# Altium PCB hand_logic.PcbDoc (part 4 of 4)
Units mil, origin at the board's own origin, x right, y up, seen from the top; angles counter-clockwise.
Board outline 3797.44 x 1940.24 mil, 6 copper layers (Top Layer, Int1 (GND), Int2 (Sign), Int3 (Sign), Int4 (PWR), Bottom Layer), stack 72.047 mil thick; 256 components, 180 nets, 1050 pads, 638 vias.
Unrouted connection lines stored in the file: 228.
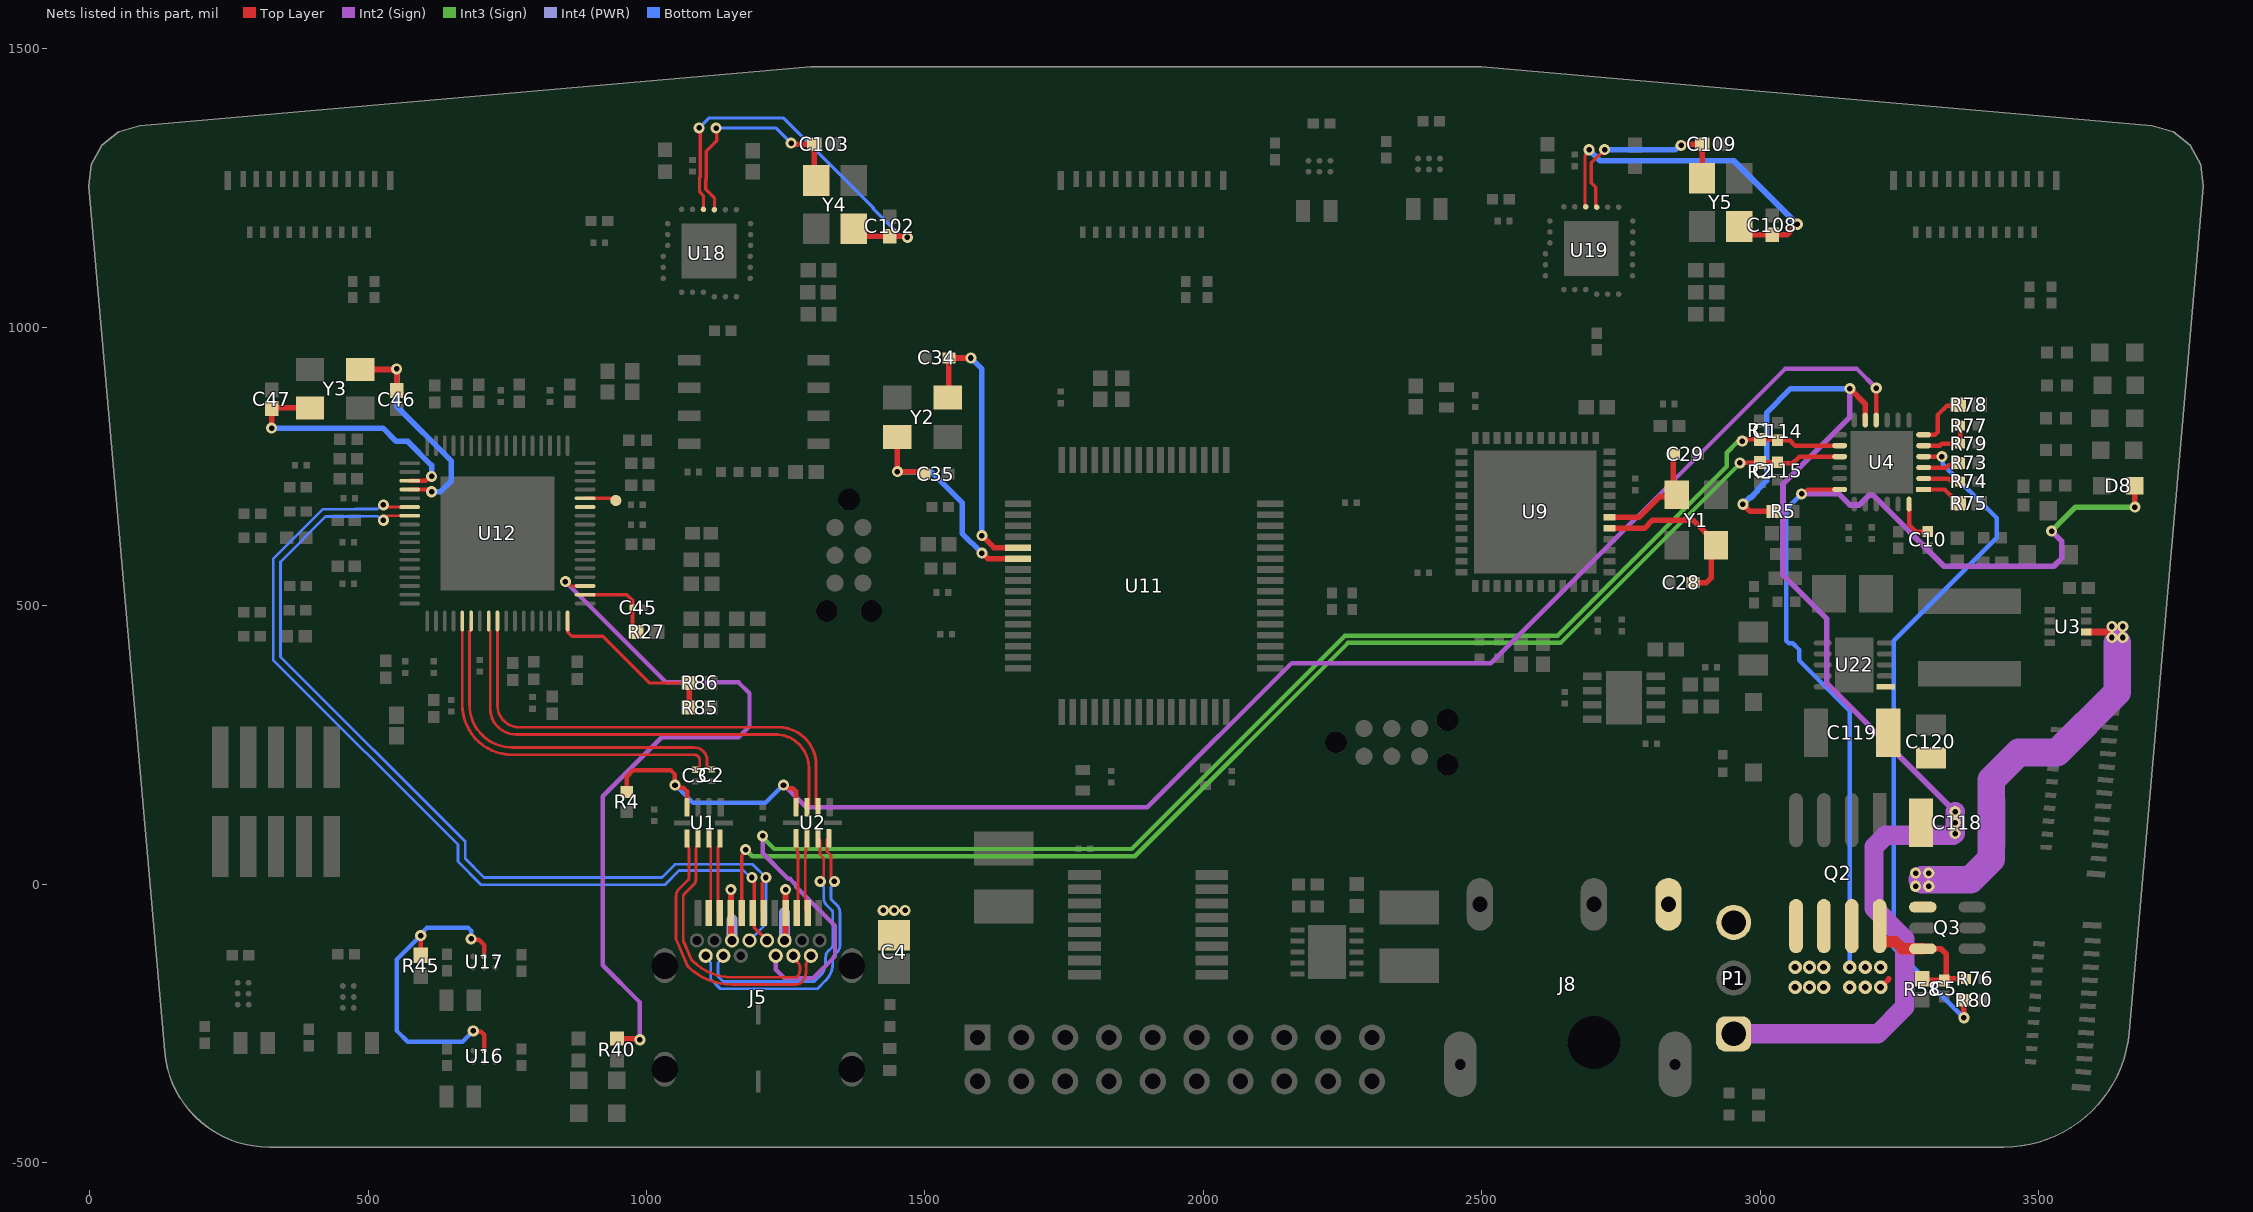
[diagram p8: the nets of this part, all layers, seen from the top]

## Via types
v1: diameter 20, hole 10, Top Layer to Bottom Layer, tented both sides, 623 vias
v2: diameter 24, hole 12, Top Layer to Bottom Layer, tented both sides, 13 vias
v3: diameter 28, hole 14, Top Layer to Bottom Layer, tented both sides, 2 vias

## Nets (pads, with @x,y where several pads share a name; then routed paths per layer and width w, separated by ;. In a path a pad name is that pad's centre, name@x,y a point inside that pad or via, vN(x,y) a via of type N, cw(c..) or ccw(c..) an arc to the next point about the centre after c; other vN are vias at no path point) (continued)
PD_ISINK_COURSE: R77.1 R79.2 U4.5 | length 99.3
  Top Layer w8: U4.5@3293.92,787.4 3322.83,787.4 3326.44,791.01 R79.2@3359.25,791.01 R77.1@3359.25,823.49
PD_ISINK_FINE: R78.1 U4.6 | length 102.7
  Top Layer w8: U4.6@3293.92,807.09 3314.21,807.09 3318.9,811.77 3318.9,842.52 3335.21,858.83 3354.23,858.83 R78.1@3356.3,860.89
PD_SAFE_5V: Q3.4 U3.6 | length 697.3
  Top Layer w12: U3.6@3586.14,452.76 3622.05,452.76
  Int2 (Sign) w50: 3291.34,7.87 3377.95,7.87 3415.35,45.28 3415.35,187.01 3464.57,236.22 3533.46,236.22 3641.73,344.49 3641.73,433.07
  other v1: 3279.53,-3.94 3303.15,-3.94 3279.53,19.69 3303.15,19.69 3631.89,442.91 3651.57,442.91 3631.89,462.6 3651.57,462.6
PD_VCCD: C10.1 U4.24 | length 75.4
  Top Layer w8: U4.24@3267.72,682.46 3267.72,645.67 3280.23,633.15 C10.1@3301.18,633.15
PWM_MODE: R45.2 U16.B1 U17.B1 | length 592.2
  Top Layer w8: R45.2@594.49,-127.95 v1(594.49,-92.52) ; v1(685.04,-98.43) 686.35,-99.73 698.85,-99.73 708.66,-109.55 U17.B1@708.66,-129.92 ; v1(688.98,-263.78) 690.14,-264.94 702.93,-264.94 708.66,-270.67 U16.B1@708.66,-299.21
  Bottom Layer w8: v1(685.04,-98.43) 684.93,-98.31 684.93,-83.43 680.24,-78.74 605.17,-78.74 594.49,-89.43 v1(594.49,-92.52) 551.87,-135.14 551.87,-263.78 571.35,-283.26 669.5,-283.26 v1(688.98,-263.78)
PWR_EN: U12.29
SAFE_PWR_EN: R80.2 U4.4 | length 1241.8
  Top Layer w8: U4.4@3293.92,767.72 v1(3326.77,767.72)
  Top Layer w10: v1(3366.14,-240.16) R80.2@3366.14,-208.66
  Bottom Layer w8: v1(3326.77,767.72) 3328.42,766.07 3328.42,754.25 3425.2,657.48 3425.2,622.05 3240.16,437.01 3240.16,-114.17 v1(3366.14,-240.16)
SUSPEND: R40.2 U12.20 | length 1334.5
  Top Layer w5: v1(854.33,543.31) 856.31,543.31 864.19,535.43 U12.20@889.76,535.43
  Top Layer w10: R40.2@946.85,-277.56 983.51,-277.56 985.48,-279.53 v1(988.19,-279.53)
  Int2 (Sign) w8: v1(854.33,543.31) 1035.43,362.2 1165.35,362.2 1185.04,342.52 1185.04,283.46 1165.35,263.78 1027.56,263.78 921.26,157.48 921.26,-145.67 988.19,-212.6 v1(988.19,-279.53)
USB_CC1: C115.1 J5.A5 R2.2 U4.15 | length 2386.4
  Top Layer w6: J5.A5@1171.26,-51.97 1171.26,51.33 1178.15,58.22 v1(1178.15,62.01)
  Top Layer w8: v1(2963.93,756.55) 2964.27,756.89 R2.2@3000,756.89 3000.98,757.87 C115.1@3031.5,757.87 3033.46,755.91 3059.06,755.91 3070.87,767.72 U4.15@3143.09,767.72
  Int3 (Sign) w8: v1(1178.15,62.01) 1190.17,49.99 1876.76,49.99 2259.84,433.07 2641.73,433.07 2963.93,755.27 v1(2963.93,756.55)
USB_CC2: C114.1 J5.B5 R1.2 U4.14 | length 2696.6
  Top Layer w8: v1(2968.16,795.62) 2971.41,795.62 2975,799.21 3029.53,799.21 C114.1@3031.5,797.24 3053.15,797.24 3062.99,787.4 U4.14@3143.09,787.4
  Int2 (Sign) w8: v1(1208.66,86.61) 1208.66,55.12 1254.62,9.16 1257.87,9.16 1269,-1.97 1269,-5.22 1338.58,-74.8 1338.58,-129.92 1299.21,-169.29 1248.03,-169.29 1232.28,-153.54 J5.B5@1232.28,-128.74
  Int3 (Sign) w8: v1(1208.66,86.61) 1208.66,83.63 1229.3,62.99 1871.38,62.99 2254.46,446.07 2636.35,446.07 2940.26,749.98 2940.26,774.91 2958.68,793.32 2965.86,793.32 v1(2968.16,795.62)
USB_D_N: J5.A7 J5.B7 U12.58 | length 1711.2
  Top Layer w5: v1(527.56,653.54) cw(c535.43,653.54) 527.56,653.74 cw(c535.43,653.54) 535.43,661.42 U12.58@574.8,661.42
  Top Layer w6: v1(527.56,653.54) v1@527.56,653.75 ; J5.A7@1210.63,-51.97 1207.79,-49.13 1207.79,1.3 1214.57,8.08 v1(1214.57,11.81)
  Bottom Layer w5: v1(527.56,653.54) 524.41,653.54 517.13,660.82 482.58,660.82 481.8,660.04 423.82,660.04 342.52,578.74 342.52,408.15 674.42,76.25 674.42,45.74 708.35,11.81 1027.56,11.81 1051.18,35.43 1190.94,35.43 v1(1214.57,11.81) 1214.57,-71.65 J5.B7@1185.04,-101.18
USB_D_P: J5.A6 J5.B6 U12.57 | length 1660.3
  Top Layer w5: v1(527.56,681.1) ccw(c531.5,681.1) 531.5,677.17 U12.57@574.8,677.17
  Top Layer w6: v1(527.56,681.1) v1@530.24,678.42 ; v1(1189.26,11.81) 1189.26,8.02 1193.7,3.58 1193.7,1.38 1193.79,1.3 1193.79,-49.13 J5.A6@1190.94,-51.97 1193.85,-54.87 1193.85,-78.5 J5.B6@1216.54,-101.18
  Bottom Layer w5: v1(527.56,681.1) 524.41,681.1 517.13,673.82 477.2,673.82 476.42,673.04 418.44,673.04 329.52,584.13 329.52,402.76 661.42,70.87 661.42,40.35 702.96,-1.19 1032.94,-1.19 1058.57,24.43 1174.39,24.43 1187.01,11.81 v1(1189.26,11.81)
USB_MUX_FLIP: R4.2 U1.4 U2.4 U4.10 | length 2852.1
  Top Layer w8: R4.2@964.57,165.35 964.57,192.91 976.38,204.72 1043.31,204.72 1051.18,196.85 v1@1051.18,178.45 ; v1(1051.18,177.85) v1@1051.18,178.45 ; U1.4@1072.83,137.8 1072.83,166.34 1066.12,173.05 1059.82,173.05 1054.43,178.45 v1@1051.18,178.45 ; v1(1246.06,177.85) 1249.31,177.85 1254.92,172.24 1262.8,172.24 1268.7,166.34 U2.4@1268.7,138.19 ; v1@3207.68,891.73 v1(3208.66,890.75) U4.10@3208.66,833.29
  Int2 (Sign) w8: v1(1246.06,177.85) 1246.66,177.85 1286.72,137.8 1899.61,137.8 2158.67,396.86 2516.53,396.86 3044.87,925.2 3174.21,925.2 v1(3208.66,890.75)
  Bottom Layer w8: v1(1051.18,177.85) 1051.78,177.85 1083.96,145.67 1213.28,145.67 1245.46,177.85 v1(1246.06,177.85)
USB_RX1_N: J5.B10 U2.8 | length 503.3
  Top Layer w5: U2.8@1308.07,82.28 cw(c1308.07,78.94) 1311.41,78.94 1311.41,52.86 1318.3,45.97 1318.3,11.22 cw(c1312.01,11.22) v1(1312.01,4.92)
  Bottom Layer w5: J5.B10@1137.8,-128.74 1137.8,-132.72 1128.55,-141.96 1128.55,-165.95 1137.8,-175.2 1226.04,-175.2 1301.5,-175.2 1312.63,-164.06 ccw(c1290.54,-142.16) 1321.65,-142.16 1321.65,-132.52 cw(c1339.65,-132.52) 1326.88,-119.84 1332.99,-113.72 ccw(c1329.44,-110.2) 1334.44,-110.2 1334.44,-50.76 ccw(c1329.44,-50.76) 1332.98,-47.23 1323.52,-37.77 cw(c1336.3,-25.1) 1318.3,-25.1 1318.3,-5.43 1312.01,0.86 v1(1312.01,4.92)
USB_RX1_P: J5.B11 U2.9 | length 545.5
  Top Layer w5: U2.9@1327.76,82.28 ccw(c1327.76,78.94) 1324.41,78.94 1324.41,58.25 1331.3,51.36 1331.3,11.22 ccw(c1337.6,11.22) v1(1337.6,4.92)
  Bottom Layer w5: J5.B11@1106.3,-128.74 1106.3,-132.72 1115.55,-141.96 1115.55,-171.04 1115.75,-171.25 1132.5,-187.99 1220.74,-187.99 1306.8,-187.99 1307.09,-187.99 1321.85,-173.23 ccw(c1290.54,-142.16) 1334.65,-142.11 ; 1334.65,-142.11 1334.65,-132.44 cw(c1339.65,-132.52) 1336.09,-129 1342.21,-122.89 ccw(c1329.44,-110.2) 1347.44,-110.2 1347.44,-50.76 ccw(c1329.44,-50.76) 1342.22,-38.09 ; v1(1337.6,4.92) 1337.6,0.86 1331.3,-5.43 1331.3,-25.1 ccw(c1336.3,-25.1) 1332.75,-28.62 1342.22,-38.08
USB_RX2_N: J5.A10 U2.6 | length 135.8
  Top Layer w5: U2.6@1268.7,82.28 1270.39,80.59 1270.39,58.25 1272.04,56.59 1272.04,-30.85 J5.A10@1269.68,-51.97
USB_RX2_P: J5.A11 U2.7 | length 137
  Top Layer w5: U2.7@1288.39,82.28 1286.56,80.45 1286.56,58.48 1285.11,57.04 1285.04,-44.74 ccw(c1290.04,-44.74) 1285.83,-47.44 1285.96,-47.44 J5.A11@1289.37,-51.97
USB_RX_N: U2.3 U12.8 | length 863.9
  Top Layer w5: U12.8@716.54,472.44 716.54,456.9 719.28,454.15 719.28,315.48 ccw(c766.06,315.48) 723.41,296.28 ccw(c766.06,315.48) 747.11,272.71 ccw(c766.06,315.48) 766.06,268.7 1231.72,268.7 cw(c1231.72,208.69) 1239.22,268.23 cw(c1231.72,208.69) 1291.19,216.68 cw(c1231.72,208.69) 1291.73,208.69 1291.73,141.53 cw(c1288.39,141.53) U2.3@1288.39,138.19
USB_RX_P: U2.2 U12.9 | length 862.8
  Top Layer w5: U12.9@732.28,472.44 732.28,320.87 ccw(c771.45,320.87) 738.73,299.34 ccw(c771.45,320.87) 749.92,288.15 ccw(c771.45,320.87) 771.45,281.7 1237.1,281.7 cw(c1237.1,214.07) 1304.26,222 cw(c1237.1,214.07) 1304.73,214.07 1304.73,141.53 ccw(c1308.07,141.53) U2.2@1308.07,138.19
USB_TX1_N: J5.A3 U1.9 | length 136.6
  Top Layer w5: J5.A3@1131.89,-51.97 1128.55,-48.63 1128.55,66.34 1131.89,69.68 U1.9@1131.89,81.89
USB_TX1_P: J5.A2 U1.8 | length 136.6
  Top Layer w5: J5.A2@1112.2,-51.97 1115.55,-48.63 1115.55,66.34 1112.2,69.68 U1.8@1112.2,81.89
USB_TX2_N: J5.B3 U1.7 | length 471.9
  Top Layer w5: U1.7@1092.52,81.89 1092.52,72.05 cw(c1086.81,72.05) 1090.85,68.01 ccw(c1094.88,63.98) 1089.18,63.98 1089.18,10.8 cw(c1071.18,10.8) 1083.96,-1.87 1067.6,-18.24 ccw(c1071.15,-21.76) 1066.15,-21.76 1066.15,-100.91 ccw(c1071.15,-100.91) 1066.55,-102.88 1080.47,-135.1 ccw(c1085.05,-133.1) 1081.5,-136.61 1082.92,-138.03 ccw(c1153.63,-67.32) 1083.35,-138.46 ccw(c1153.63,-67.32) 1153.63,-167.32 1267.48,-167.32 ccw(c1267.45,-162.32) 1271.36,-165.44 ccw(c1254.47,-152.11) 1275.98,-151.87 1275.98,-151.82 ccw(c1256.65,-152.11) 1275.95,-150.88 ccw(c1270.96,-151.21) 1275.94,-150.78 ccw(c1248.68,-153.17) 1275.62,-148.35 ccw(c1270.7,-149.25) 1275.59,-148.22 ccw(c1256.65,-152.11) 1275.24,-146.81 ccw(c1256.65,-152.11) 1266.59,-135.52 cw(c1273.38,-128.74) J5.B3@1263.78,-128.74
USB_TX2_P: J5.B2 U1.6 | length 510.1
  Top Layer w5: U1.6@1072.83,81.89 1072.83,72.05 ccw(c1078.54,72.05) 1074.51,68.01 cw(c1070.47,63.98) 1076.18,63.98 1076.18,10.8 cw(c1071.18,10.8) 1074.73,7.28 1058.38,-9.07 ccw(c1071.15,-21.76) 1053.15,-21.76 1053.15,-99.58 1073.72,-147.23 ccw(c1153.63,-67.32) 1076.54,-149.95 ccw(c1153.63,-67.32) 1153.63,-180.32 1267.51,-180.32 ccw(c1267.45,-162.32) 1280.22,-175.01 ccw(c1248.68,-153.17) 1286.41,-146.24 cw(c1291.33,-145.35) 1286.49,-144.13 ; 1286.5,-144.09 cw(c1299.72,-147.64) 1290.1,-137.89 1292.47,-135.52 ccw(c1285.68,-128.74) J5.B2@1295.28,-128.74
USB_TX_N: C3.2 U12.5 | length 655.6
  Top Layer w5: U12.5@669.29,472.44 669.29,321.85 ccw(c758.86,321.85) 673.84,293.68 ccw(c758.86,321.85) 730.76,236.8 ccw(c758.86,321.85) 758.86,232.28 1085.58,232.28 cw(c1085.58,222) 1095.86,222 1095.86,211.26 1092.93,208.33 1090.61,208.33 C3.2@1087.6,205.32
USB_TX_P: C2.2 U12.6 | length 656.4
  Top Layer w5: U12.6@685.04,472.44 685.04,456.9 682.29,454.15 682.29,321.85 ccw(c758.86,321.85) 685.3,300.61 ccw(c758.86,321.85) 737.62,248.29 ccw(c758.86,321.85) 758.86,245.28 1085.58,245.28 cw(c1085.58,222) 1108.86,222 1108.86,211.65 1111.79,208.72 1114.11,208.72 C2.2@1117.13,205.71
VBUS: C4.1 C5.1 D8.2 J5.A4 J5.A9 J5.B4 J5.B9 Q2.7 Q2.8 Q3.6 R58.2 R76.2 U4.18 | length 2367.9
  Top Layer w8: v1(3074.8,700.79) 3077.51,700.79 3085.38,708.66 U4.18@3143.09,708.66
  Top Layer w10: v2(3216.54,-185.04) 3231.3,-170.28 ; R58.2@3291.34,-170.28 3294.29,-173.23 C5.1@3330.71,-173.23 C5.1@3333.66,-170.28 ; Q3.6@3292.32,-116.14 3324.8,-116.14 3334.65,-125.98 3334.65,-169.29 C5.1@3333.66,-170.28 ; R76.2@3366.22,-166.42 R76.2@3370.08,-170.28 C5.1@3333.66,-170.28 ; v1(3673.23,677.17) D8.2@3673.23,715.55
  Top Layer w11: v1(1151.57,-9.84) J5.A4@1151.57,-51.97 1151.57,-99.21 J5.B9@1153.54,-101.18 ; J5.B4@1248.03,-101.18 1250,-99.21 J5.A9@1250,-51.97 v1(1250,-9.84)
  Top Layer w20: Q2.8@3214.76,-75.44 3214.76,-101.44 3216.86,-103.54 3242.87,-103.54 3255.47,-116.14 Q3.6@3292.32,-116.14
  Int2 (Sign) w10: v1(3074.8,700.79) 3141.7,700.79 3161.61,680.87 3178.18,680.87 3195.3,697.99 3203.58,697.99 3330.71,570.87 3527.56,570.87 3542.32,585.63 3542.32,615.16 v1(3523.62,633.86)
  Int3 (Sign) w10: v1(3523.62,633.86) 3566.93,677.17 v1(3673.23,677.17)
  Int4 (PWR) w20: J5.B9@1153.54,-101.18 1153.54,-64.18 ; J5.B4@1248.03,-101.18 1248.03,-51.18
  Bottom Layer w8: v1(3074.8,700.79) 3047.24,673.23 3047.24,437.07 3051.93,432.39 3059.05,432.39 3070.18,421.26 3070.18,402.26 3161.42,311.02 v2(3161.42,-149.61)
  other v1: 1425.2,-47.24 1444.88,-47.24 1464.57,-47.24
  other v2: 3161.42,-185.04 3188.98,-185.04 3188.98,-149.61 3216.54,-149.61
VBUS_FET_EN: R73.1 U4.3 | length 66.9
  Top Layer w8: U4.3@3293.92,748.03 3334.65,748.03 3339.14,752.53 3353.25,752.53 R73.1@3357.28,756.56
VBUS_MAX: R74.1 U4.2 | length 67.5
  Top Layer w8: U4.2@3293.92,728.35 3338.58,728.35 3342.52,724.41 3358.08,724.41 R74.1@3359.25,723.24
VBUS_MIN: R75.1 U4.1 | length 73.2
  Top Layer w8: U4.1@3293.92,708.66 3331.5,708.66 3346.52,693.65 3346.52,692.66 3355.31,683.87 R75.1@3356.3,683.87
VBUS_PD: C118.1 C119.1 C120.1 P1.1 Q2.5 Q2.6 R5.2 U4.11 U22.1 | length 2249
  Top Layer w10: v1(2969.33,682.25) 2982.28,669.29 R5.2@3024.61,669.29 ; v1(3161.42,889.76) 3188.98,862.2 U4.11@3188.98,833.29
  Int2 (Sign) w10: v1(3161.42,889.76) 3161.42,838.58 3041.34,718.5 3041.34,555.17 3120.08,476.43 3120.08,360.24 v1(3350.39,129.92)
  Int2 (Sign) w35: P1.1@2952.76,-268.9 3211.42,-268.9 3259.84,-220.47 3259.84,-98.43 3204.72,-43.31 3204.72,66.77 3225.23,87.27 3347.11,87.27 v1(3350.39,90.55) v1(3350.39,110.24) v1(3350.39,129.92)
  Bottom Layer w10: v1(2969.33,682.25) 2981,693.93 2983.33,693.93 2995.05,705.64 2995.05,707.97 3011.81,724.73 3011.81,846.46 3055.12,889.76 v1(3161.42,889.76)
  other v2: 3062.99,-185.04 3088.98,-185.04 3114.17,-185.04 3062.99,-149.61 3088.98,-149.61 3114.17,-149.61
VBUS_PG: pad.2 U12.30 | length 63.6
  Top Layer w7: U12.30@889.76,692.91 940.94,692.91 pad.2@949.72,684.14
VBUS_US: R85.1 R86.2 U12.17 | length 320.4
  Top Layer w6: U12.17@858.27,472.44 858.4,472.31 858.4,452.62 866.14,444.88 921.26,444.88 1004.92,361.22 R86.2@1076.77,361.22
  Top Layer w10: R85.1@1076.77,316.93 R86.2@1076.77,361.22
VDD_EFUSE: C45.2 R27.1 U12.19 | length 148.7
  Top Layer w7: U12.19@889.76,519.69 964.57,519.69 975.2,509.06 C45.2@975.2,496.06 975.2,458.86 R27.1@981.3,452.76
WALL_VIN: J8.1 P1.3
XIN: C34.1 U11.5 Y2.1 | length 513.7
  Top Layer w10: Y2.1@1541.34,874.02 1542.61,875.28 1542.61,940.24 C34.1@1547.24,944.88 ; C34.1@1543.31,944.88 C34.1@1547.24,944.88 ; v1(1582.68,944.88) C34.1@1547.24,944.88 ; v1(1602.36,625.98) 1624.02,604.33 U11.5@1667.32,604.33
  Bottom Layer w10: v1(1582.68,944.88) 1602.36,925.2 v1(1602.36,625.98)
XIN_1: C102.2 U18.22 Y4.1 | length 725
  Top Layer w6: v1(1094.49,1358.27) 1096.58,1356.17 1096.58,1270.7 1095.3,1269.42 1095.3,1243.48 1102.36,1236.41 U18.22@1102.36,1211.78
  Top Layer w10: Y4.1@1372.05,1177.17 1385.43,1163.78 C102.2@1437.01,1163.78 1463.44,1163.78 1465.8,1161.42 v1(1468.5,1161.42)
  Bottom Layer w6: v1(1094.49,1358.27) 1112.07,1375.85 1246.2,1375.85 1407.2,1214.85 1407.2,1213.02 1456.12,1164.1 1465.83,1164.1 v1(1468.5,1161.42)
XIN_2: C108.2 U19.22 Y5.1 | length 653.9
  Top Layer w6: U19.22@2687.01,1216.41 2686.26,1217.16 2686.26,1219.93 2685.6,1220.59 2685.6,1307.8 2692.91,1315.11 v1(2692.91,1318.9)
  Top Layer w10: Y5.1@2962.6,1181.1 2977.56,1166.14 C108.2@3021.65,1166.14 3048.03,1166.14 v1(3066.93,1185.04)
  Bottom Layer w10: v1(2692.91,1318.9) 2712.6,1299.21 2952.76,1299.21 v1(3066.93,1185.04)
XOSC_IN: C28.1 U9.5 Y1.1 | length 313.1
  Top Layer w10: U9.5@2729.33,638.78 2792.32,638.78 2807.09,653.54 2879.92,653.54 Y1.1@2921.26,612.2 ; C28.1@2879.92,541.34 2903.54,541.34 2912.12,549.91 2912.12,599.13 Y1.1@2921.26,608.27
XOSC_OUT: C29.1 U9.6 Y1.3 | length 204.7
  Top Layer w10: U9.6@2729.33,658.46 2782.48,658.46 2819.6,695.58 2847.16,695.58 Y1.3@2850.39,698.82 ; Y1.3@2844.49,704.72 C29.1@2844.49,771.65
XOUT: C35.1 U11.6 Y2.3 | length 425
  Top Layer w10: Y2.3@1450.79,803.15 v1(1450.79,740.9) 1493.36,740.9 C35.1@1498.03,736.22 ; v1(1602.36,594.49) 1603.38,594.49 1613.22,584.65 U11.6@1667.32,584.65
  Bottom Layer w10: v1(1450.79,740.9) 1511.07,740.9 1566.93,685.04 1566.93,629.92 v1(1602.36,594.49)
XOUT_1: C103.2 U18.21 Y4.3 | length 416.6
  Top Layer w6: U18.21@1122.05,1211.22 1122.05,1232.28 1106.3,1248.03 1106.3,1264.86 1107.58,1266.15 1107.58,1316.24 1125.98,1334.65 v1@1125.98,1358.27
  Top Layer w10: v1(1259.84,1330.71) 1262.55,1330.71 1264.52,1328.74 C103.2@1301.57,1328.74 1301.57,1267.32 Y4.3@1305.12,1263.78
  Bottom Layer w6: v1(1125.18,1357.85) 1232.7,1357.85 v1(1259.84,1330.71)
XOUT_2: C109.2 U19.21 Y5.3 | length 357.5
  Top Layer w6: U19.21@2706.69,1215.85 2706.69,1216.91 2704.72,1218.88 2704.72,1251.97 2697.16,1259.54 2697.16,1295.58 v1(2720.84,1319.26)
  Top Layer w10: v1(2858.27,1326.77) 2860.97,1326.77 2862.94,1328.74 C109.2@2896.06,1328.74 2896.06,1268.11 Y5.3@2895.67,1267.72
  Bottom Layer w10: v1(2720.84,1319.26) 2848.05,1319.26 2855.56,1326.77 v1(2858.27,1326.77)
XTAL_IN: C46.1 U12.55 Y3.1 | length 430.3
  Top Layer w8: U12.55@574.8,708.66 606.99,708.66 610.93,704.72 v1(614.17,704.72)
  Top Layer w10: Y3.1@486.22,924.21 550.2,924.21 v1(551.18,925.2) C46.1@551.18,886.44
  Bottom Layer w10: v1(551.18,925.2) 551.18,858.27 649.61,759.84 649.61,724.41 629.92,704.72 v1(614.17,704.72)
XTAL_OUT: C47.1 U12.54 Y3.3 | length 482.2
  Top Layer w8: U12.54@574.8,724.41 603.94,724.41 611.82,732.28 v1(614.17,732.28)
  Top Layer w10: v1(326.77,818.9) C47.1@326.77,854.33 327.76,855.32 Y3.3@395.67,855.32
  Bottom Layer w10: v1(326.77,818.9) 526.83,818.9 550.46,795.28 570.87,795.28 614.17,751.97 v1(614.17,732.28)
pads on no net: J5.5 J5.8 J5.A8 J5.B8 J7.7 J7.8 J7.9 J7.10 J7.11 J7.12 J7.13 J7.14 J7.15 J7.16 J7.17 J7.18 J7.19 J7.20 J8. JP1.0 JP2.0 JP2.6 U4.7 U4.8 U4.16 U4.17 U4.20 U4.21 U9.3 U9.4 U9.13 U9.14 U9.15 U9.16 U9.17 U9.18 U9.19 U9.20 U9.21 U9.22 U9.25 U9.26 U9.27 U9.28 U9.29 U9.30 U9.31 U9.38 U9.39 U9.40 U9.41 U11.2 U11.3 U11.4 U11.10 U11.11 U11.14 U11.15 U11.20 U11.21 U11.24 U11.25 U11.26 U11.27 U11.28 U11.33 U11.34 U11.40 U11.42 U11.54 U11.57 U11.61 U11.62 U12.11 U12.12 U12.14 U12.15 U12.25 U12.35 U12.36 U12.38 U12.39 U12.41 U12.42 U12.44 U12.45 U12.47 U12.48 U12.50 U12.51 U18.6 U18.7 U18.8 U18.11 U18.12 U19.6 U19.7 U19.8 U19.11 U19.12 U20.7 U20.13 U21.3

## Polygon pours and split planes (outlines as drawn)
PD_5V on Top Layer "PD_5V_L01_P075" (solid, pour order 75): 3454.72,561.02 3451.77,561.02 cw(c3451.77,567.91) 3444.88,567.91 3444.88,588.53 3444.83,588.58 3422.77,588.58 3422.77,568.44 3409.57,555.24 3178.07,555.24 3178.07,489.05 ccw(c3184.84,489.05) 3184.84,482.28 3457,482.28 ccw(c3457,499.7) 3474.41,499.7 3474.41,541.34 ccw(c3454.72,541.34)
GND on Top Layer "GND_POUR" (solid, remove dead copper, pour order 111): 322.15,-472.44 3437.69,-472.44 ccw(c3437.69,-246.27) 3663,-265.98 3795.9,1253.62 3791.65,1292.56 3772.83,1326.89 3742.28,1351.42 3704.65,1362.36 2499.57,1467.8 1294.84,1467.8 89.72,1362.36 52.13,1351.42 21.57,1326.89 2.72,1292.56 -1.54,1253.62 134.4,-300.4 ccw(c322.15,-283.97)
1V2 on Top Layer "1V2_L01_P109" (solid, pour order 109): 627.95,-214.35 627.95,-206.69 591.29,-206.69 ccw(c591.29,-227.12) 570.87,-227.12 570.87,-254.94 ccw(c583.83,-254.94) 583.83,-267.91 638.28,-267.91
PD_SAFE_5V on Top Layer "PD_SAFE_5V_L01_P108" (solid, pour order 108): 3612.2,462.6 3612.2,442.91 ccw(c3631.89,442.91) 3631.89,423.23 3651.57,423.23 ccw(c3651.57,442.91) 3671.26,442.91 3671.26,462.6 ccw(c3651.58,462.6) 3651.57,482.28 3631.89,482.28 ccw(c3631.89,462.6)
5V on Top Layer "5V_L01_P105" (solid, pour order 105): 3569.65,472.44 3536.65,472.44 3536.65,435 cw(c3505.17,435) 3503.94,403.54 3503.94,344.49 ccw(c3523.62,344.49) 3523.62,324.8 3555.06,324.8 ccw(c3555.06,342.58) 3572.83,342.58 3572.83,469.25
VBUS on Top Layer "VBUS_L01_P103" (solid, pour order 103): 1473.55,-70.9 1488.19,-56.25 1488.19,-39.37 ccw(c1476.38,-39.37) 1476.38,-27.56 1413.39,-27.56 ccw(c1413.39,-39.37) 1401.57,-39.37 1401.57,-59.51 1416.22,-74.16
5V on Top Layer "5V_L01_P008" (solid, pour order 8): 324.8,-167.32 261.81,-167.32 cw(c261.81,-161.42) 255.91,-161.42 255.91,-157.48 cw(c265.75,-157.48) 265.75,-147.64 ccw(c241.99,-123.88) 275.59,-123.88 275.59,-118.11 326.77,-118.11 cw(c326.77,-125.98) 334.65,-125.98 334.65,-157.48 cw(c324.8,-157.48)
NetC110_1 on Top Layer "NETC110_1_L01_P102" (solid, pour order 102): 2181.77,-137.02 2138.62,-137.02 cw(c2138.62,-114.16) 2122.45,-130.33 2110.71,-118.59 ccw(c2072.69,-156.61) 2072.69,-102.84 1985.87,-102.84 1985.87,-173.97 ccw(c1998.4,-173.97) 1998.4,-186.5 2167.75,-186.5 ccw(c2167.75,-172.99) 2181.27,-173.17
HAND_VOUT on Top Layer "HAND_VOUT_L01_P100" (solid, pour order 100): 1811.02,-102.36 1654.5,-102.36 ccw(c1654.5,-190.2) 1592.38,-128.09 1559.53,-160.94 ccw(c1598.7,-200.11) 1543.31,-200.11 1543.31,-370.08 ccw(c1566.93,-370.08) 1566.93,-393.7 1614.17,-393.7 ccw(c1614.17,-374.02) 1633.86,-374.02 1633.86,-250.9 cw(c1669.29,-250.9) 1644.24,-225.84 cw(c1752.25,-333.85) 1752.25,-181.1 1805.64,-181.1 ccw(c1805.64,-159.97) 1826.77,-159.97 1826.77,-118.11 ccw(c1811.02,-118.11)
VBUS_PD on Top Layer "VBUS_PD_L01_P099" (solid, pour order 99): 3342.52,153.54 3291.07,153.54 3291.07,68.63 3289.37,66.93 3346.46,66.93 ccw(c3346.46,82.68) 3362.2,82.68 3362.2,133.86 ccw(c3342.52,133.86)
NetC110_1 on Top Layer "NETC110_1_L01_P095" (solid, pour order 95): 2181.77,-137.02 2138.62,-137.02 2104.43,-102.84 2098.93,-108.34 2098.93,-181.58 2166.32,-181.58 2181.77,-166.13
HAND_V_SEL on Top Layer "HAND_V_SEL_L01_P094" (solid, pour order 94): 2980.32,-125.98 2449.03,-125.98 cw(c2449.03,-92.22) 2425.15,-116.09 2358.33,-116.09 2358.33,-176.92 2358.01,-177.25 2393.36,-212.6 2909.45,-212.6 2976.38,-212.6 ccw(c2976.38,-188.98) 3000,-188.98 3000,-145.67 ccw(c2980.32,-145.67)
NetC110_1 on Top Layer "NETC110_1_L01_P088" (solid, pour order 88): 1985.9,-102.84 2102.87,-102.84 cw(c2102.87,-110.71) 2110.74,-110.71 2110.74,-169.77 cw(c2098.93,-169.77) 2098.93,-181.58 1999.86,-181.58 cw(c1998.84,-168.63) 1985.9,-169.77
VBUS_PD on Top Layer "VBUS_PD_L01_P093" (solid, pour order 93): 2925.2,-232.28 3000,-232.28 ccw(c3000,-200.79) 3031.5,-200.79 3031.5,-170.92 cw(c3073.45,-170.92) 3043.78,-141.25 3047.24,-137.8 3129.92,-137.8 3129.92,-251.97 cw(c3070.87,-251.97) 3070.87,-311.02 2929.13,-311.02 cw(c2929.13,-291.34) 2909.45,-291.34 2909.45,-248.03 cw(c2925.2,-248.03)
PD_SAFE_5V on Top Layer "PD_SAFE_5V_L01_P092" (solid, pour order 92): 3310.5,-51.18 3274.01,-51.18 cw(c3274.01,-40.95) 3263.78,-40.95 3263.78,19.69 cw(c3279.53,19.69) 3279.53,35.43 3311.02,35.43 cw(c3311.02,23.62) 3322.83,23.62 3322.83,-38.85 cw(c3310.5,-38.85)
VBUS_PD on Top Layer "VBUS_PD_L01_P091" (solid, pour order 91): 3334.65,165.35 3334.65,90.55 cw(c3311.02,90.55) 3311.02,66.93 3267.72,66.93 3267.72,177.17
NetQ2_1 on Top Layer "NETQ2_1_L01_P090" (solid, pour order 90): 3227.04,162.77 3220.51,169.29 3115.65,169.29 ccw(c3115.65,152.07) 3098.43,152.07 3098.43,27.56 ccw(c3125.98,27.56) 3125.98,0 3196.98,0 ccw(c3196.98,31.12) 3228.09,31.37
HAND_V_SEL on Top Layer "HAND_V_SEL_L01_P087" (solid, pour order 87): 2263.11,-137.02 2288.11,-137.02 2309.04,-116.09 2325.63,-116.09 2325.63,-175.76 2327.03,-177.17 2263.11,-177.17
VBUS_PD on Top Layer "VBUS_PD_L01_P085" (solid, pour order 85): 3115.79,-23.62 3063.34,-23.62 ccw(c3063.34,-39.72) 3047.24,-39.72 3047.24,-185.04 ccw(c3062.99,-185.04) 3062.99,-200.79 3114.17,-200.79 ccw(c3114.17,-185.04) 3129.92,-185.04 3129.92,-37.75 ccw(c3115.79,-37.75)
WALL_VIN on Top Layer "WALL_VIN_L01_P084" (solid, pour order 84): 2803.15,35.43 2836.95,35.43 cw(c2836.95,2.98) 2859.9,25.93 2889.29,-3.46 ccw(c2928.46,35.71) 2928.46,-19.68 2980.31,-19.68 cw(c2980.31,-39.37) 3000,-39.37 3000,-94.49 cw(c2980.32,-94.49) 2980.31,-114.17 2803.15,-114.17 cw(c2803.15,-94.49) 2783.46,-94.49 2783.46,15.75 cw(c2803.15,15.75)
VBUS on Top Layer "VBUS_L01_P083" (solid, pour order 83): 3216.59,-23.62 3162.79,-23.62 ccw(c3162.79,-36.81) 3149.61,-36.81 3149.61,-128.29 cw(c3136.17,-128.29) 3147.48,-135.54 ccw(c3157.14,-141.73) 3145.67,-141.73 3145.67,-185.04 ccw(c3161.42,-185.04) 3161.42,-200.79 3220.47,-200.79 ccw(c3220.47,-185.04) 3236.22,-185.04 3236.22,-164.68 ccw(c3125.44,-164.68) 3229.88,-127.75 cw(c3255.23,-118.79) 3228.35,-118.79 3228.35,-35.38 ccw(c3216.59,-35.38)
NetC117_2 on Top Layer "NETC117_2_L01_P082" (solid, pour order 82): 2992.77,471.46 2979.71,471.46 cw(c2979.71,515.14) 2958.84,476.77 ccw(c2929.4,422.65) 2929.4,484.25 2917.32,484.25 ccw(c2917.32,472.44) 2905.51,472.44 2905.51,440.94 ccw(c2917.32,440.94) 2917.32,429.13 2952.76,429.13 ccw(c2952.76,440.59) 2959.21,431.13 cw(c2968.69,417.26) 2968.69,434.05 2992.22,434.06
NetC117_2 on Top Layer "NETC117_2_L01_P081" (solid, pour order 81): 3468.5,395.65 3468.5,437.01 3295.28,437.01 3275,416.73 3275,394.29 3275.59,393.7
VBUS_PD on Top Layer "VBUS_PD_L01_P080" (solid, pour order 80): 3209.65,359.04 3208.66,314.96 cw(c3167.8,311.97) 3206.69,299.09 3206.69,277.46 3254.83,277.46 3259.84,282.48 3259.84,341.56 3242.36,359.04
VBUS_PD on Top Layer "VBUS_PD_L01_P079" (solid, pour order 79): 3206.57,299.21 3259.84,299.21 3259.84,265.75 3280.51,245.08 3334.65,245.08 3334.65,141.73 3267.72,141.73 3206.57,202.88
NetC117_2 on Top Layer "NETC117_2_L01_P078" (solid, pour order 78): 3299.42,400.98 3275,400.98 3251.97,377.95 3251.97,362.2 3259.84,354.33 3260.04,354.53 3298.91,354.53
3V3 on Top Layer "3V3_L01_P060" (solid, pour order 60): 649.61,-314.96 649.61,-354.33 655.85,-360.57 cw(c632.91,-383.52) 665.35,-383.52 665.35,-425.2 cw(c653.54,-425.2) 653.54,-437.01 614.17,-437.01 cw(c614.17,-425.2) 602.36,-425.2 602.36,-407.14 cw(c634.81,-407.14) 611.87,-384.2 616.48,-379.58 ccw(c593.53,-356.64) 625.98,-356.64 625.98,-322.83 cw(c633.86,-322.83) 633.86,-314.96
1V2 on Top Layer "1V2_L01_P059" (solid, pour order 59): 649.61,-145.67 649.61,-185.04 655.85,-191.28 cw(c632.91,-214.23) 665.35,-214.23 665.35,-255.91 cw(c653.54,-255.91) 653.54,-267.72 614.17,-267.72 cw(c614.17,-255.91) 602.36,-255.91 602.36,-237.85 cw(c634.81,-237.85) 611.87,-214.9 616.48,-210.29 ccw(c593.53,-187.35) 625.98,-187.35 625.98,-153.54 cw(c633.86,-153.54) 633.86,-145.67
NetC110_1 on Top Layer "NETC110_1_L01_P054" (solid, pour order 54): 3413.03,122.41 3364.72,122.41 3364.72,95.91 3366.14,94.49 3389.76,94.49 ccw(c3389.76,118.11) 3413.39,118.11 3413.39,122.05 ccw(c3413.03,122.05)
3V3_FINGER on Top Layer "3V3_FINGER_L01_P050" (solid, pour order 50): 2192.91,1236.22 2172.24,1256.89 2172.24,1307.09 ccw(c2164.37,1307.09) 2164.37,1314.96 2124.02,1314.96 ccw(c2124.02,1307.09) 2116.14,1307.09 2116.14,1201.77 ccw(c2132.87,1201.77) 2132.87,1185.04 2192.91,1185.04
1V8_FINGER on Top Layer "1V8_FINGER_L01_P049" (solid, pour order 49): 2389.76,1240.16 2369.09,1260.83 2369.09,1311.02 ccw(c2361.22,1311.02) 2361.22,1318.9 2320.87,1318.9 ccw(c2320.87,1311.02) 2312.99,1311.02 2312.99,1205.71 ccw(c2329.72,1205.71) 2329.72,1188.98 2389.76,1188.98
5V on Top Layer "5V_L01_P048" (solid, pour order 48): 2234.25,1425.2 2222.44,1425.2 ccw(c2222.44,1416.34) 2213.58,1416.34 2213.58,1358.1 cw(c2197.37,1358.09) 2208.83,1346.63 2205.86,1343.65 ccw(c2220.46,1329.04) 2199.8,1329.04 2199.8,1322.34 ccw(c2208.17,1322.34) 2208.17,1313.98 2231.3,1313.98 ccw(c2231.3,1324.8) 2242.13,1324.8 2242.13,1417.32 ccw(c2234.25,1417.32)
5V on Top Layer "5V_L01_P047" (solid, pour order 47): 2431.1,1429.13 2419.29,1429.13 ccw(c2419.29,1420.28) 2410.43,1420.28 2410.43,1362.04 cw(c2394.22,1362.03) 2405.68,1350.56 2402.71,1347.59 ccw(c2417.31,1332.98) 2396.65,1332.97 2396.65,1326.28 ccw(c2405.02,1326.28) 2405.02,1317.91 2428.15,1317.91 ccw(c2428.15,1328.74) 2438.98,1328.74 2438.98,1421.26 ccw(c2431.1,1421.26)
GND on Top Layer "GND_L01_P046" (solid, pour order 46): 3432.09,1350.39 3411.42,1350.39 ccw(c3411.42,1342.52) 3403.54,1342.52 3403.54,1305.12 ccw(c3409.45,1305.12) 3409.45,1299.21 3433.07,1299.21 ccw(c3433.07,1305.12) 3438.98,1305.12 3438.98,1343.5 ccw(c3432.09,1343.5)
GND on Top Layer "GND_L01_P045" (solid, pour order 45): 3337.6,1350.39 3316.93,1350.39 ccw(c3316.93,1342.52) 3309.06,1342.52 3309.06,1305.12 ccw(c3314.96,1305.12) 3314.96,1299.21 3338.58,1299.21 ccw(c3338.58,1305.12) 3344.49,1305.12 3344.49,1343.5 ccw(c3337.6,1343.5)
GND on Top Layer "GND_L01_P044" (solid, pour order 44): 1936.02,1350.39 1915.35,1350.39 ccw(c1915.35,1342.52) 1907.48,1342.52 1907.48,1305.12 ccw(c1913.39,1305.12) 1913.39,1299.21 1937.01,1299.21 ccw(c1937.01,1305.12) 1942.91,1305.12 1942.91,1343.5 ccw(c1936.02,1343.5)
GND on Top Layer "GND_L01_P043" (solid, pour order 43): 1841.54,1350.39 1820.87,1350.39 ccw(c1820.87,1342.52) 1812.99,1342.52 1812.99,1305.12 ccw(c1818.9,1305.12) 1818.9,1299.21 1842.52,1299.21 ccw(c1842.52,1305.12) 1848.43,1305.12 1848.43,1343.5 ccw(c1841.54,1343.5)
GND on Top Layer "GND_L01_P042" (solid, pour order 42): 439.96,1350.39 419.29,1350.39 ccw(c419.29,1342.52) 411.42,1342.52 411.42,1305.12 ccw(c417.32,1305.12) 417.32,1299.21 440.94,1299.21 ccw(c440.94,1305.12) 446.85,1305.12 446.85,1343.5 ccw(c439.96,1343.5)
GND on Top Layer "GND_L01_P041" (solid, pour order 41): 345.47,1350.39 324.8,1350.39 ccw(c324.8,1342.52) 316.93,1342.52 316.93,1305.12 ccw(c322.83,1305.12) 322.83,1299.21 346.46,1299.21 ccw(c346.46,1305.12) 352.36,1305.12 352.36,1343.5 ccw(c345.47,1343.5)
5V on Top Layer "5V_L01_P040" (solid, pour order 40): 515.75,1275.59 460.63,1275.59 cw(c460.63,1279.53) 456.69,1279.53 456.69,1334.65 cw(c468.5,1334.65) 468.5,1346.46 507.87,1346.46 cw(c507.88,1334.65) 519.68,1334.65 519.68,1279.53 cw(c515.75,1279.53)
1V8_FINGER on Top Layer "1V8_FINGER_L01_P039" (solid, pour order 39): 362.2,1279.53 362.2,1299.21 362.2,1338.58 cw(c370.08,1338.58) 370.08,1346.46 401.57,1346.46 cw(c401.57,1338.58) 409.45,1338.58 409.45,1314.29 cw(c392.07,1314.29) 404.36,1302 ccw(c411.08,1295.28) 401.57,1295.28 401.57,1279.53 cw(c397.64,1279.53) 397.64,1275.59 366.14,1275.59 cw(c366.14,1279.53)
3V3_FINGER on Top Layer "3V3_FINGER_L01_P038" (solid, pour order 38): 307.09,1279.53 307.09,1295.28 cw(c316.59,1295.28) 309.87,1302 ccw(c307.09,1304.78) 311.02,1304.78 311.02,1338.58 ccw(c303.15,1338.58) 303.15,1346.46 267.72,1346.46 ccw(c267.72,1338.58) 259.84,1338.58 259.84,1308.72 ccw(c263.78,1308.72) 261,1305.93 cw(c244.78,1289.71) 267.72,1289.71 267.72,1279.53 ccw(c271.65,1279.53) 271.65,1275.59 303.15,1275.59 ccw(c303.15,1279.53)
5V on Top Layer "5V_L01_P037" (solid, pour order 37): 2011.81,1275.59 1956.69,1275.59 cw(c1956.69,1279.53) 1952.76,1279.53 1952.76,1334.65 cw(c1964.57,1334.65) 1964.57,1346.46 2003.94,1346.46 cw(c2003.94,1334.65) 2015.75,1334.65 2015.75,1279.53 cw(c2011.81,1279.53)
1V8_FINGER on Top Layer "1V8_FINGER_L01_P036" (solid, pour order 36): 1858.27,1279.53 1858.27,1299.21 1858.27,1338.58 cw(c1866.14,1338.58) 1866.14,1346.46 1897.64,1346.46 cw(c1897.64,1338.58) 1905.51,1338.58 1905.51,1314.29 cw(c1888.13,1314.29) 1900.42,1302 ccw(c1907.14,1295.28) 1897.64,1295.28 1897.64,1279.53 cw(c1893.7,1279.53) 1893.7,1275.59 1862.2,1275.59 cw(c1862.2,1279.53)
3V3_FINGER on Top Layer "3V3_FINGER_L01_P035" (solid, pour order 35): 1803.15,1279.53 1803.15,1295.28 cw(c1812.65,1295.28) 1805.93,1302 ccw(c1803.15,1304.78) 1807.09,1304.78 1807.09,1338.58 ccw(c1799.21,1338.58) 1799.21,1346.46 1763.78,1346.46 ccw(c1763.78,1338.58) 1755.91,1338.58 1755.91,1308.72 ccw(c1759.84,1308.72) 1757.06,1305.93 cw(c1740.84,1289.71) 1763.78,1289.71 1763.78,1279.53 ccw(c1767.72,1279.53) 1767.72,1275.59 1799.21,1275.59 ccw(c1799.21,1279.53)
3V3_FINGER on Top Layer "3V3_FINGER_L01_P030" (solid, pour order 30): 3299.21,1279.53 3299.21,1295.28 cw(c3308.72,1295.28) 3302,1302 ccw(c3299.21,1304.78) 3303.15,1304.78 3303.15,1338.58 ccw(c3295.28,1338.58) 3295.28,1346.46 3259.84,1346.46 ccw(c3259.84,1338.58) 3251.97,1338.58 3251.97,1308.72 ccw(c3255.9,1308.72) 3253.12,1305.93 cw(c3236.9,1289.71) 3259.84,1289.71 3259.84,1279.53 ccw(c3263.78,1279.53) 3263.78,1275.59 3295.28,1275.59 ccw(c3295.28,1279.53)
5V on Top Layer "5V_L01_P032" (solid, pour order 32): 3507.87,1275.59 3452.76,1275.59 cw(c3452.76,1279.53) 3448.82,1279.53 3448.82,1334.65 cw(c3460.63,1334.65) 3460.63,1346.46 3500,1346.46 cw(c3500,1334.65) 3511.81,1334.65 3511.81,1279.53 cw(c3507.87,1279.53)
1V8_FINGER on Top Layer "1V8_FINGER_L01_P031" (solid, pour order 31): 3354.33,1279.53 3354.33,1299.21 3354.33,1338.58 cw(c3362.2,1338.58) 3362.2,1346.46 3393.7,1346.46 cw(c3393.7,1338.58) 3401.57,1338.58 3401.57,1314.29 cw(c3384.2,1314.29) 3396.48,1302 ccw(c3403.2,1295.28) 3393.7,1295.28 3393.7,1279.53 cw(c3389.77,1279.53) 3389.76,1275.59 3358.27,1275.59 cw(c3358.27,1279.53)
5V on Top Layer "5V_L01_P009" (solid, pour order 9): 522.78,-166.2 450.79,-166.2 cw(c450.79,-160.29) 444.88,-160.29 444.88,-156.36 cw(c454.72,-156.36) 454.72,-146.51 ccw(c430.97,-122.75) 464.57,-122.75 464.57,-116.99 522.5,-116.99 cw(c522.5,-125.98) 531.5,-125.98 531.5,-157.48 cw(c522.78,-157.48)
3V3 on Int4 (PWR) "GND_POUR" (solid, remove dead copper, pour order 104): 322.15,-472.44 3437.69,-472.44 ccw(c3437.69,-246.27) 3663,-265.98 3795.9,1253.62 3791.65,1292.56 3772.83,1326.89 3742.28,1351.42 3704.65,1362.36 2499.57,1467.8 1294.84,1467.8 89.72,1362.36 52.13,1351.42 21.57,1326.89 2.72,1292.56 -1.54,1253.62 134.4,-300.4 ccw(c322.15,-283.97)
VBUS on Int4 (PWR) "VBUS_L05_P101" (solid, pour order 101): 1141.73,157.48 3188.98,157.48 cw(c3188.98,78.74) 3267.72,78.74 3267.72,-157.48 cw(c3188.98,-157.48) 3188.98,-236.22 1141.73,-236.22 cw(c1141.73,-157.48) 1062.99,-157.48 1062.99,78.74 cw(c1141.73,78.74)
NetC117_2 on Int4 (PWR) "NETC117_2_L05_P063" (solid, pour order 63): 2952.76,511.81 3464.57,511.81 cw(c3464.57,472.44) 3503.94,472.44 3503.94,314.96 cw(c3464.57,314.96) 3464.57,275.59 2952.76,275.59 cw(c2952.76,326.77) 2901.57,326.77 2901.57,460.63 cw(c2952.76,460.63)
1V8_FINGER on Int4 (PWR) "1V8_FINGER_L05_P052" (solid, pour order 52): 3375.98,1269.69 2508.15,1269.69 ccw(c2508.15,1131.21) 2410.22,1229.12 2395.81,1214.71 cw(c2338.45,1272.06) 2338.44,1190.94 cw(c2338.44,1323.67) 2244.59,1229.82 2218.64,1255.77 ccw(c2161.29,1198.41) 2161.28,1279.53 1879.92,1279.53 cw(c1879.92,1309.05) 1850.39,1309.06 1850.39,1338.58 ccw(c1820.87,1338.58) 1820.87,1368.11 1343.36,1368.11 ccw(c1343.35,1032.08) 1132.33,1293.59 cw(c1064.65,1377.46) 1064.65,1269.68 435.46,1269.68 cw(c435.46,1370.5) 393.33,1278.91 cw(c414.26,1324.42) 364.17,1324.42 364.17,1338.58 cw(c393.7,1338.58) 393.7,1368.11 700.51,1368.11 ccw(c700.51,1506.61) 798.44,1408.67 857.56,1467.8 3415.35,1467.8 3415.35,1309.06 cw(c3375.99,1309.05)
GND on Int2 (Sign) "GND_POUR" (solid, pour order 110): 322.15,-472.44 3437.69,-472.44 ccw(c3437.69,-246.27) 3663,-265.98 3795.9,1253.62 3791.65,1292.56 3772.83,1326.89 3742.28,1351.42 3704.65,1362.36 2499.57,1467.8 1294.84,1467.8 89.72,1362.36 52.13,1351.42 21.57,1326.89 2.72,1292.56 -1.54,1253.62 134.4,-300.4 ccw(c322.15,-283.97)
PD_SAFE_5V on Int2 (Sign) "PD_SAFE_5V_L03_P072" (solid, pour order 72): 3307.09,39.37 3279.53,39.37 ccw(c3279.53,23.62) 3263.78,23.62 3263.78,-11.81 ccw(c3275.59,-11.81) 3275.59,-23.62 3307.09,-23.62 ccw(c3307.09,-11.81) 3318.9,-11.81 3318.9,27.56 ccw(c3307.09,27.56)
PD_SAFE_5V on Int2 (Sign) "PD_SAFE_5V_L03_P107" (solid, pour order 107): 3658.34,481.88 3630.78,481.88 ccw(c3630.78,466.13) 3615.04,466.13 3615.04,430.7 ccw(c3626.85,430.7) 3626.85,418.89 3658.34,418.89 ccw(c3658.34,430.7) 3670.15,430.7 3670.15,470.07 ccw(c3658.34,470.07)
5V on Int2 (Sign) "5V_L03_P106" (solid, pour order 106): 3551.18,389.76 3523.62,389.76 ccw(c3523.62,374.02) 3507.87,374.02 3507.87,338.58 ccw(c3519.68,338.58) 3519.68,326.77 3551.18,326.77 ccw(c3551.18,338.58) 3562.99,338.58 3562.99,377.95 ccw(c3551.18,377.95)
5V on Int2 (Sign) "5V_L03_P053" (solid, pour order 53): 3582.68,1456.69 433.07,1456.69 433.07,1299.21 ccw(c511.81,1299.21) 511.81,1220.47 3503.94,1220.47 ccw(c3503.94,1299.21) 3582.68,1299.21
3V3 on Int2 (Sign) "3V3_L03_P062" (solid, pour order 62): 661.42,-385.83 611.87,-385.83 ccw(c611.86,-407.32) 596.66,-392.13 ccw(c623,-411.08) 590.55,-411.08 590.55,-433.07 ccw(c598.42,-433.07) 598.43,-440.94 653.54,-440.94 ccw(c653.54,-425.2) 669.29,-425.2 669.29,-393.7 ccw(c661.42,-393.7)
1V2 on Int2 (Sign) "1V2_L03_P061" (solid, pour order 61): 551.36,-266.92 600.91,-266.92 ccw(c600.92,-245.43) 616.12,-260.62 ccw(c589.78,-241.67) 622.23,-241.67 622.23,-219.68 ccw(c614.36,-219.68) 614.36,-211.8 559.24,-211.8 ccw(c559.24,-227.55) 543.49,-227.55 543.49,-259.05 ccw(c551.36,-259.05)
GND on Int3 (Sign) "3V3_POUR" (solid, remove dead copper, pour order 76): 322.15,-472.44 3437.69,-472.44 ccw(c3437.69,-246.27) 3663,-265.98 3795.9,1253.62 3791.65,1292.56 3772.83,1326.89 3742.28,1351.42 3704.65,1362.36 2499.57,1467.8 1294.84,1467.8 89.72,1362.36 52.13,1351.42 21.57,1326.89 2.72,1292.56 -1.54,1253.62 134.4,-300.4 ccw(c322.15,-283.97)
3V3_FINGER on Int3 (Sign) "3V3_FINGER_L04_P051" (solid, pour order 51): 3287.4,1348.42 3252.11,1348.43 ccw(c3252.11,1291.07) 3211.54,1331.62 3134,1254.08 cw(c3076.63,1311.44) 3076.63,1230.32 2445.02,1230.32 ccw(c2445.02,1172.96) 2404.46,1213.51 2388.85,1197.9 cw(c2348.29,1238.46) 2348.29,1181.1 2236.64,1181.1 cw(c2236.64,1234.39) 2198.96,1196.71 cw(c2256.33,1254.08) 2175.2,1254.08 2175.2,1259.84 ccw(c2155.51,1259.84) 2155.51,1279.53 2120.22,1279.53 ccw(c2120.21,1222.18) 2079.65,1262.73 2073.89,1256.96 cw(c2033.33,1297.51) 2033.32,1240.16 1883.41,1240.16 cw(c1883.41,1313.82) 1831.32,1261.73 cw(c1880.34,1310.74) 1811.02,1310.74 1811.02,1338.58 ccw(c1791.34,1338.58) 1791.34,1358.27 1771.65,1358.27 ccw(c1771.65,1338.59) 1751.97,1338.58 1751.97,1273.76 cw(c1694.63,1273.75) 1735.17,1233.2 cw(c1675.93,1292.42) 1675.93,1208.66 432.06,1208.66 cw(c432.05,1294.13) 371.62,1233.7 331.07,1274.25 cw(c369.95,1313.13) 314.96,1313.13 314.96,1328.74 ccw(c295.28,1328.74) 295.28,1348.43 275.59,1348.43 ccw(c275.59,1328.74) 255.91,1328.74 255.91,1100.39 ccw(c324.8,1100.39) 324.8,1031.5 3247.05,1031.5 ccw(c3247.05,1091.54) 3307.09,1091.54 3307.09,1328.74 ccw(c3287.4,1328.74)
GND on Int1 (GND) "GND_POUR" (solid, pour order 65): 322.15,-472.44 3437.69,-472.44 ccw(c3437.69,-246.27) 3663,-265.98 3795.9,1253.62 3791.65,1292.56 3772.83,1326.89 3742.28,1351.42 3704.65,1362.36 2499.57,1467.8 1294.84,1467.8 89.72,1362.36 52.13,1351.42 21.57,1326.89 2.72,1292.56 -1.54,1253.62 134.4,-300.4 ccw(c322.15,-283.97)
GND on Bottom Layer "GND_POUR" (solid, pour order 71): 322.15,-472.44 3437.69,-472.44 ccw(c3437.69,-246.27) 3663,-265.98 3795.9,1253.62 3791.65,1292.56 3772.83,1326.89 3742.28,1351.42 3704.65,1362.36 2499.57,1467.8 1294.84,1467.8 89.72,1362.36 52.13,1351.42 21.57,1326.89 2.72,1292.56 -1.54,1253.62 134.4,-300.4 ccw(c322.15,-283.97)

## Other copper
Top Layer:
  pour cut-out: 3185.04,169.29 3145.67,169.29 3145.67,72.57 ccw(c3155.24,72.57) 3155.24,62.99 3174.28,62.99 ccw(c3174.28,73.75) 3185.04,73.75
  pour cut-out: 2251.97,284.65 2251.97,221.65 ccw(c2275.59,221.65) 2275.59,198.03 2395.02,198.03 ccw(c2395.02,224.27) 2421.26,224.27 2421.26,286.99 ccw(c2399.99,286.99) 2399.99,308.27 2275.59,308.27 ccw(c2275.59,284.65)
  pour cut-out: 1393.7,677.17 1330.71,677.17 ccw(c1330.71,653.54) 1307.09,653.54 1307.09,534.11 ccw(c1333.33,534.11) 1333.33,507.87 1396.05,507.87 ccw(c1396.05,529.15) 1417.32,529.15 1417.32,653.54 ccw(c1393.7,653.54)
  pour cut-out: 3236.22,1275.59 3535.43,1275.59 3535.43,1181.1 cw(c3515.75,1181.1) 3515.75,1161.42 3251.97,1161.42 cw(c3251.97,1177.16) 3236.22,1177.17
  pour cut-out: 1740.16,1275.59 2039.37,1275.59 2039.37,1181.1 cw(c2019.69,1181.1) 2019.68,1161.42 1755.91,1161.42 cw(c1755.91,1177.16) 1740.16,1177.17
  pour cut-out: 244.09,1275.59 543.31,1275.59 543.31,1181.1 cw(c523.62,1181.1) 523.62,1161.42 259.84,1161.42 cw(c259.84,1177.16) 244.09,1177.17
  pour cut-out: 821.68,809.06 728.94,809.06 728.94,768.7 726.27,766.03 728.11,764.19 830.03,764.19
Int3 (Sign):
  pour cut-out: 1555.12,-226.38 1555.12,-393.7 2352.36,-393.7 2352.36,-226.38

## Silkscreen, mask and mechanical layers (free items; w line width, h text height)
Top Overlay:
  circle w10: c1248.03,796.26 r16.23
  lines w10: 3005.71,-324.8 3061.02,-226.38 ; 3061.02,-383.86 3149.61,-383.86 ; 3061.02,-295.28 3149.61,-295.28 ; 3061.02,-226.38 3061.02,-452.76 3149.61,-452.76 3149.61,-226.38 3139.76,-226.38 3061.02,-226.38
  text "Finger 2" at 1796.26,1321.36 h60
  text "Finger 1" at 299.21,1320.38 h60
  text "Finger 3" at 3287.4,1310.53 h60
  text "Thumb" at 236.22,303.76 h60
  text "Palm 2" at 3676.56,59.11 h60 r85
  text "3" at 3119.36,-275.59 h60 r90
  text "WALL" at 3169.29,-275.59 h60
  text "Palm 1" at 3649,-279.47 h60 r85
  text "2" at 3120.08,-354.33 h60 r90
  text "1" at 3120.08,-423.23 h60 r90
  text "USB" at 3179.13,-432.35 h60
Mechanical 1:
  the board outline again, w8

## Text inside footprints (layer, text, board x,y; h text height)
U15: Top 3D Body "*" at 1276.91,820.64 h50 r180